# Altium PCB SAFETY_2019_v_3_0.PcbDoc (part 2 of 2)
Units mm, origin at the board's own origin, x right, y up, seen from the top; angles counter-clockwise.
Board outline 100 x 100 mm, 2 copper layers (Top Layer, Bottom Layer); 241 components, 142 nets, 742 pads, 116 vias.
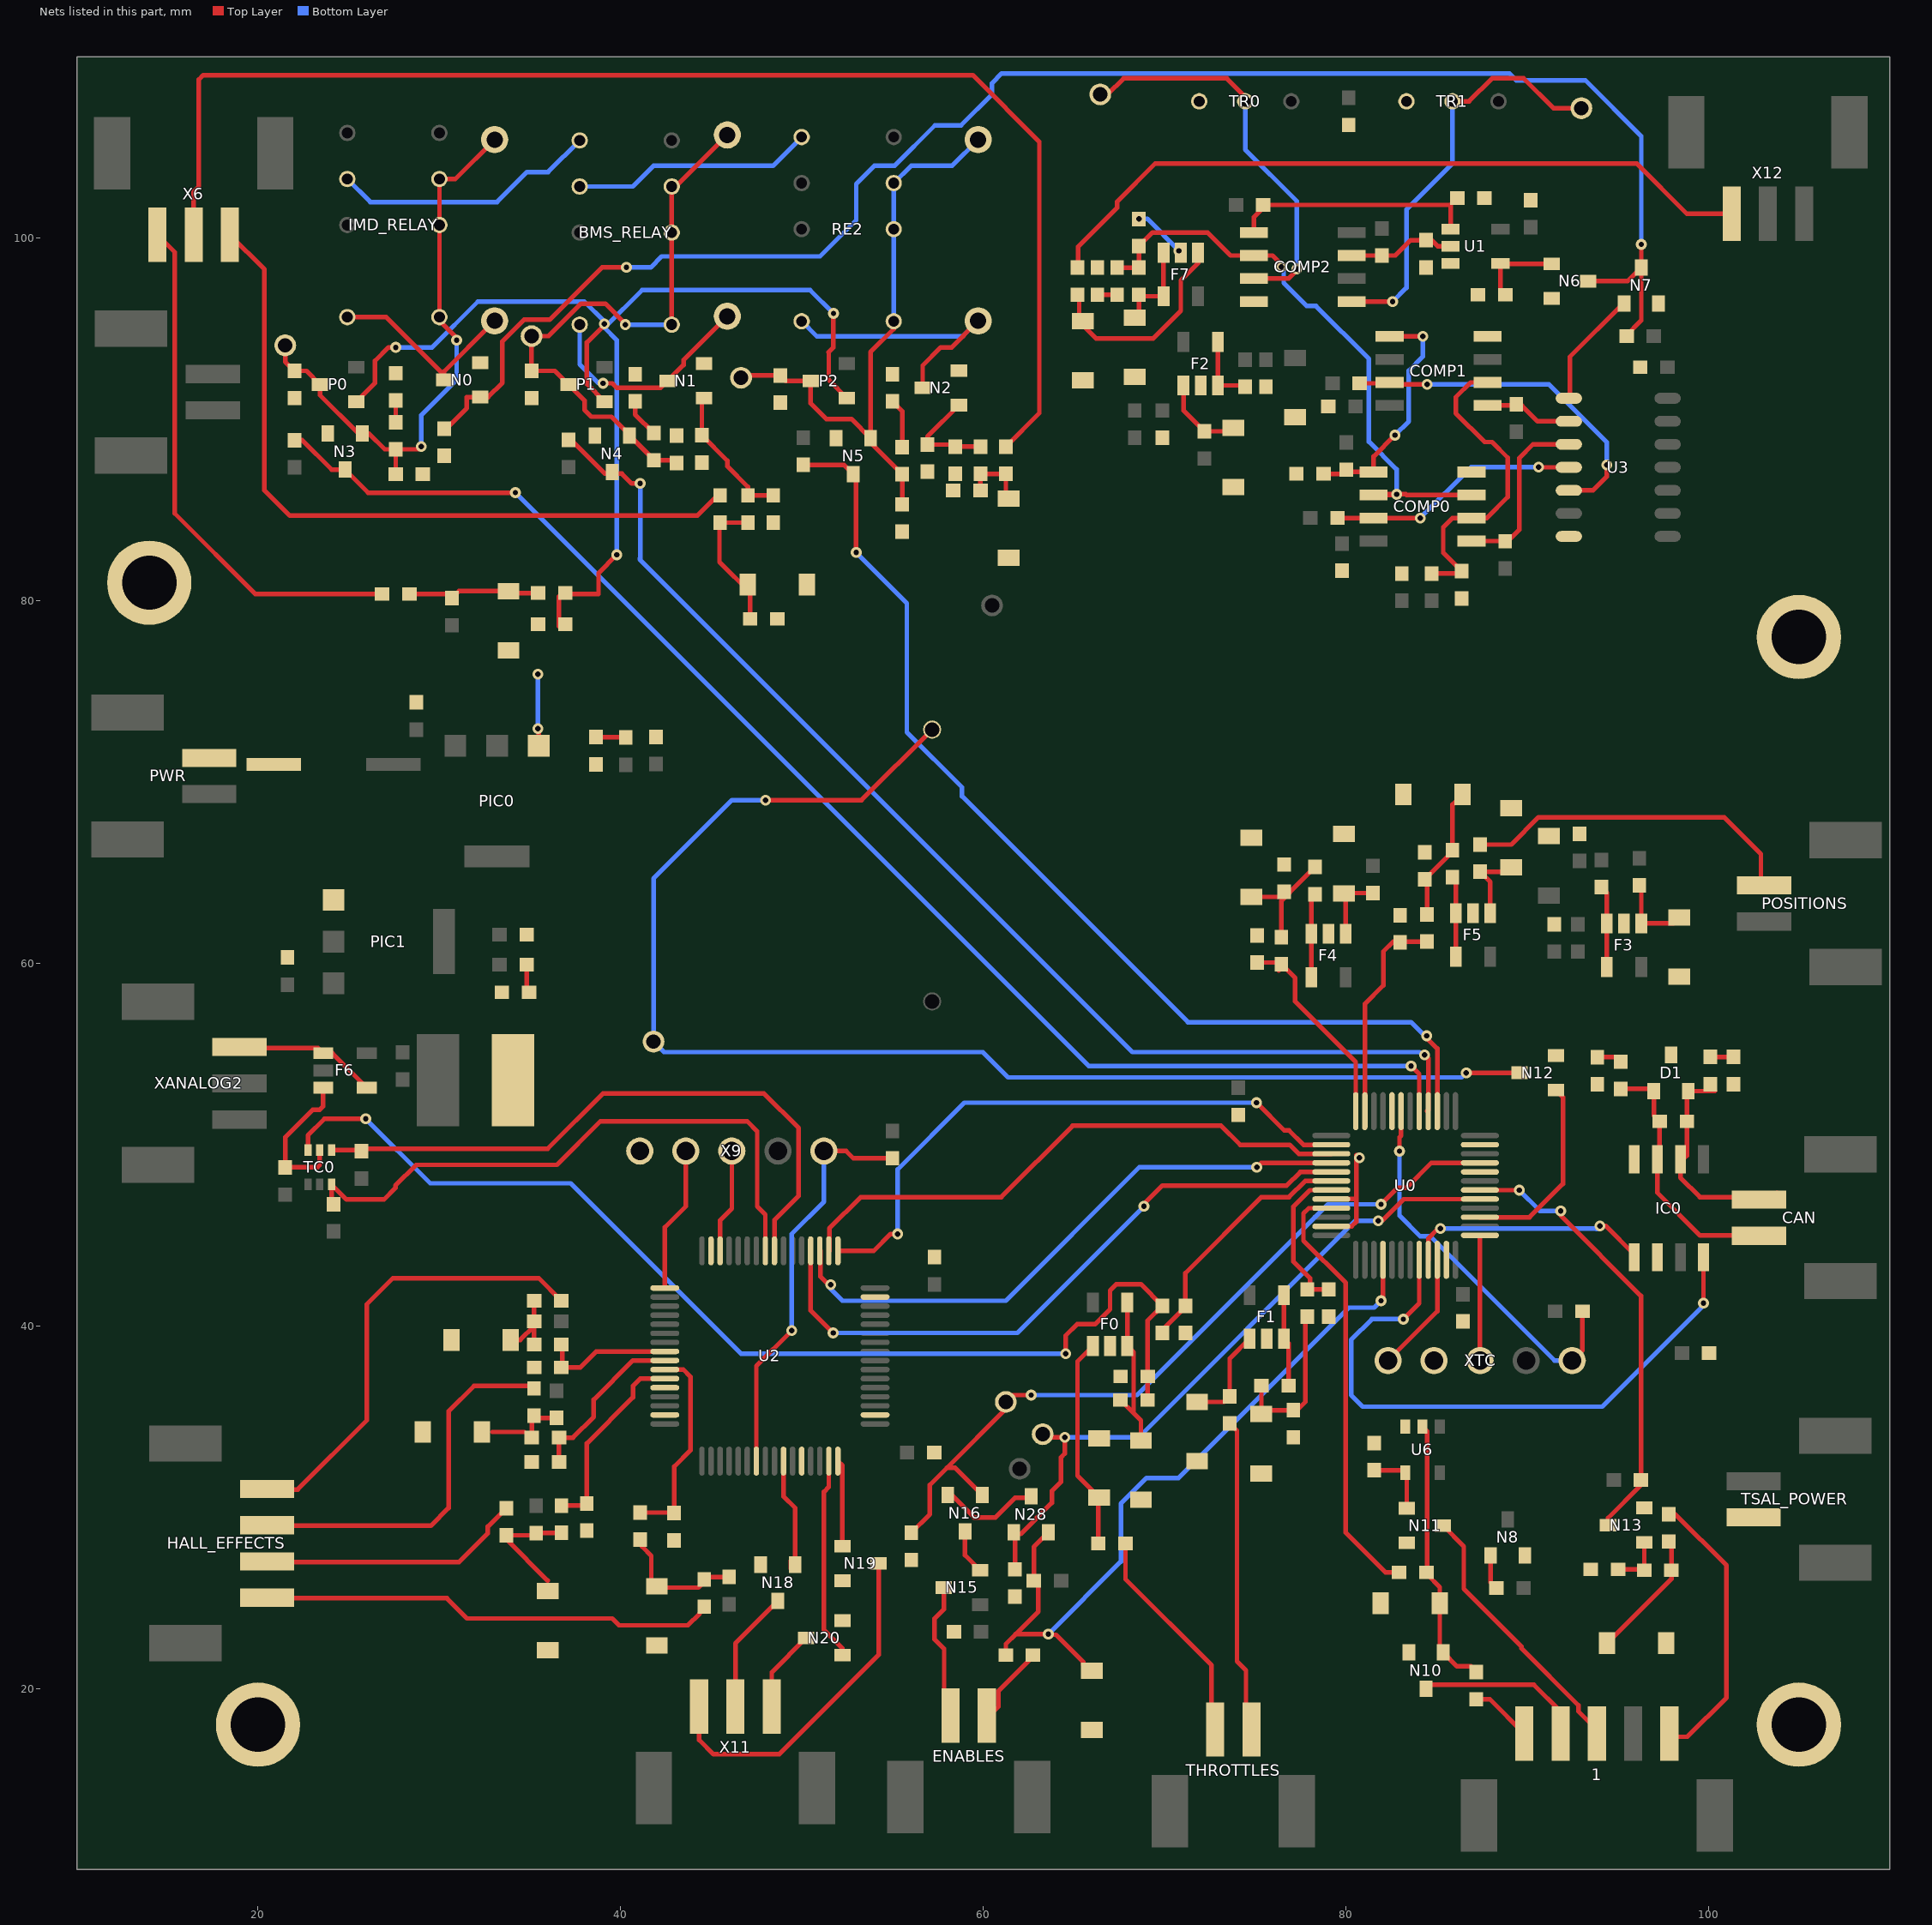
[diagram p2: the nets of this part, all layers, seen from the top]

## Via types
v1: diameter 0.6, hole 0.3, Top Layer to Bottom Layer, 116 vias

## Nets (pads, with @x,y where several pads share a name; then routed paths per layer and width w, separated by ;. In a path a pad name is that pad's centre, name@x,y a point inside that pad or via, vN(x,y) a via of type N, cw(c..) or ccw(c..) an arc to the next point about the centre after c; other vN are vias at no path point) (continued)
BRAKE_PRESSURE_F_2: C21.1 D13.K R39.2 R40.2 | length 6.8
  Top Layer w0.254: D13.K@74.801,63.665 C21.1@76.676,63.665 ; R40.2@76.452,61.45 76.452,63.441 C21.1@76.676,63.665 ; C21.1@76.595,63.95 76.934,63.95 R39.2@78.3,65.316 ; C21.1@76.891,63.88 C21.1@76.676,63.665
BRAKE_PRESSURE_F_2_3_3: R40.1 R41.2 U0.12 | length 11.4
  Top Layer w0.254: R41.2@75.113,60.046 76.356,60.046 R40.1@76.452,59.95 77.207,59.195 77.207,57.898 80.553,54.552 U0.12@80.553,51.845 U0.12@80.553,51.839 ; R40.1@76.3,59.6 76.383,59.683 R40.1@76.383,59.75
BRAKE_TH: COMP2.5 TP_BR.1 TR1.2 | length 23
  Top Layer w0.254: COMP2.5@80.333,96.506 v1(82.586,96.506) ; TR1.2@85.888,107.555 86.802,107.555 88.072,108.825 89.813,108.825 91.464,107.174 TP_BR.1@93,107.174
  Bottom Layer w0.254: v1(82.586,96.506) 83.348,97.268 83.348,101.586 85.888,104.126 TR1.2@85.888,107.555
BSPD_BP_OC: COMP1.1 R98.1 U3.2 | length 4.8
  Top Layer w0.254: COMP1.1@87.826,90.779 89.71,90.779 90.587,89.902 U3.2@92.307,89.902
BSPD_BP_SC: COMP1.7 R92.2@80.772,92 U3.5 | length 19.3
  Top Layer w0.254: R92.2@80.772,92 82.377,92 COMP1.7@82.426,92.049 82.541,91.934 v1(84.491,91.934) ; U3.5@92.307,86.092 93.635,86.092 94.402,86.859 v1(94.402,87.501)
  Bottom Layer w0.254: v1(84.491,91.934) 91.21,91.934 94.402,88.742 v1(94.402,87.501)
BSPD_BRAKE_COND: C16.2 COMP2.7 R94.1@82,99.046 U1.2 | length 6.1
  Top Layer w0.254: COMP2.7@80.333,99.046 R94.1@82,99.046 82.735,99.046 83.584,99.895 84.082,99.895 84.237,100.05 84.249,100.05 84.404,99.895 C16.2@84.43,99.895 84.745,99.895 85.086,99.554 U1.2@85.783,99.554
BSPD_COND: N6.1 R20.1 U1.4 | length 4.7
  Top Layer w0.254: R20.1@88.797,96.887 88.533,97.151 U1.4@88.533,98.604 88.555,98.582 N6.1@91.365,98.582
BSPD_CS_OC: COMP0.1 R89.1 U3.3 | length 9.9
  Top Layer w0.254: COMP0.1@86.937,83.298 88.948,83.298 89.571,83.921 89.571,87.87 90.333,88.632 U3.3@92.307,88.632
BSPD_CS_SC: COMP0.7 R90.1 U3.4 | length 13.9
  Top Layer w0.254: R90.1@79.546,84.568 COMP0.7@81.537,84.568 v1(84.11,84.568) ; v1(90.638,87.374) 90.65,87.362 U3.4@92.307,87.362
  Bottom Layer w0.254: v1(84.11,84.568) 86.916,87.374 v1(90.638,87.374)
BSPD_CURR_COND: C90.2 COMP2.1 R93.1 U1.1 | length 14
  Top Layer w0.254: COMP2.1@74.933,100.316 74.933,101.16 R93.1@75.613,101.84 ; R93.1@75.445,101.84 R93.1@75.613,101.84 ; U1.1@85.783,100.504 C90.2@85.783,101.85 ; C90.2@86.154,102.221 C90.2@85.783,101.85 ; R93.1@75.613,101.84 85.773,101.84 C90.2@85.783,101.85
BSPD_SENSOR_FAULT: N7.1 U3.1 | length 6.5
  Top Layer w0.254: U3.1@92.365,91.172 92.365,93.458 95.302,96.395 N7.1@95.352,96.395
BTSF_EN: N16.1 R64.2 TP2.1 U0.45 | length 43.6
  Top Layer w0.254: R64.2@56.038,28.587 57.059,29.608 57.059,31.228 58,32.169 ; N16.1@59.95,30.671 58.452,32.169 58,32.169 ; v1(62.647,36.181) 61.625,36.181 TP2.1@61.25,35.806 61.25,35.419 58,32.169 ; v1(81.951,46.71) 82.852,47.611 83.339,47.611 84.717,48.989 U0.45@87.403,48.989
  Bottom Layer w0.254: v1(62.647,36.181) 68.489,36.181 79.018,46.71 v1(81.951,46.71)
CAN_H: CAN.2 D1.1 IC0.7 R3.2 R4.1 | length 14.6
  Top Layer w0.254: R3.2@95.174,53.073 96.871,53.073 D1.1@96.994,52.95 96.994,51.61 R4.1@97.321,51.283 97.309,51.271 IC0.7@97.309,49.157 ; IC0.7@97.191,49.189 97.191,47.348 99.55,44.989 CAN.2@103.132,44.989
CAN_L: CAN.1 D1.2 IC0.6 R4.2 R80.2 | length 12.3
  Top Layer w0.254: IC0.6@98.461,49.189 98.461,48.18 99.538,47.103 103.558,47.103 CAN.1@103.788,47.333 ; IC0.6@98.579,49.157 98.821,49.399 R4.2@98.821,51.283 98.821,52.877 D1.2@98.894,52.95 R80.2@100.361,52.95
CAN_RX: IC0.4 U0.32 | length 34.7
  Top Layer w0.254: v1(83.178,40.372) 84.053,41.247 84.053,43.639 U0.32@84.053,43.674 ; v1(99.731,41.261) IC0.4@99.731,43.789
  Bottom Layer w0.254: v1(83.178,40.372) 81.443,40.372 80.3,39.229 80.3,36.181 80.935,35.546 94.143,35.546 99.731,41.134 v1(99.731,41.261)
CAN_TX: IC0.1 U0.33 | length 13.7
  Top Layer w0.254: U0.33@84.553,43.639 84.553,44.825 85.099,45.371 v1(85.217,45.371) ; v1(94.016,45.514) 94.335,45.514 95.921,43.928 IC0.1@95.921,43.789
  Bottom Layer w0.254: v1(85.217,45.371) 93.809,45.371 93.841,45.339 v1(94.016,45.514)
CURR_TH: COMP2.3 TP_CURR.1 TR0.2 | length 22.2
  Top Layer w0.254: TP_CURR.1@66.457,107.936 66.858,107.936 67.747,108.825 73.442,108.825 TR0.2@74.458,107.809 ; COMP2.3@74.966,97.809 COMP2.3@74.933,97.776 76.849,97.776 77.301,98.228 v1(77.301,98.295)
  Bottom Layer w0.254: TR0.2@74.458,107.809 74.458,104.888 77.301,102.045 v1(77.301,98.295)
CURRENT_SENSE: R1.1 X12.1 | length 40.5
  Top Layer w0.254: R1.1@65.244,98.356 65.244,99.544 67.392,101.692 67.392,102.023 69.495,104.126 96.048,104.126 98.824,101.35 X12.1@101.287,101.35
CURRENT_SENSE_F: C15.1 COMP0.3 COMP0.6 COMP2.2 R2.2 R11.2 | length 33.6
  Top Layer w0.254: R11.2@67.392,98.382 R2.2@68.592,98.382 C15.1@68.592,99.566 69.342,100.316 72.377,100.316 73.647,99.046 COMP2.2@74.933,99.046 75.96,99.046 76.454,98.552 v1(76.454,98.425) ; v1@82.804,85.838 COMP0.6@81.537,85.838 81.576,85.877 v1(82.804,85.877) 83.309,85.877 83.348,85.838 COMP0.3@86.937,85.838
  Bottom Layer w0.254: v1(76.454,98.425) 76.581,98.298 76.581,97.536 77.851,96.266 78.359,96.266 81.28,93.345 81.28,88.773 82.804,87.249 v1(82.804,85.877)
CURRENT_SENSE_F_3_3: R11.1 R18.2 | length 1.1
  Top Layer w0.254: R18.2@66.3,96.882 R11.1@67.392,96.882
DRS1: N20.1 U2.15 | length 11.2
  Top Layer w0.254: U2.15@51.487,32.54 51.487,31.117 51.217,30.847 51.217,23.227 52.233,22.211 N20.1@52.233,21.835
DRS1_OUT: N20.3 X11.1 | length 4.2
  Top Layer w0.254: X11.1@48.336,19.345 48.336,20.888 N20.3@50.233,22.785
DRS2: N18.1 U2.10 | length 6.4
  Top Layer w0.254: U2.10@48.987,32.54 48.987,30.593 49.627,29.953 N18.1@49.627,26.828 ; N18.1@49.4,26.601 N18.1@49.4,27.055
DRS2_OUT: N18.3 X11.2 | length 6.5
  Top Layer w0.254: X11.2@46.336,19.345 46.336,22.487 N18.3@48.677,24.828
ENABLE_IN: ENABLES.1 R99.2 | length 4.8
  Top Layer w0.254: ENABLES.1@60.202,18.5 60.345,18.5 60.845,19 60.845,19.852 R99.2@63.028,22.035
ENABLE_IN_3_3: D25.K N28.2 R66.2 R99.1 U0.28 | length 43
  Top Layer w0.254: R99.1@61.25,21.835 61.25,22.451 61.79,22.992 ; R66.2@62.798,25.945 62.798,27.811 N28.2@63.592,28.605 ; R66.2@63.04,25.865 63.04,24.241 61.79,22.992 ; D25.K@66,20.98 65.85,20.98 65.527,21.303 65.527,21.453 64.018,22.962 63.621,22.962 v1(63.592,22.992) 61.79,22.992 ; v1(81.951,41.388) 82.053,41.49 U0.28@82.053,43.639
  Bottom Layer w0.254: v1(63.592,22.992) 67.6,27 67.6,30.2 69.009,31.609 70.775,31.609 80.173,41.007 81.57,41.007 v1(81.951,41.388)
ENABLE_OUT: ENABLES.2 N15.3 | length 8.4
  Top Layer w0.254: N15.3@57.832,25.567 57.832,24.362 57.313,23.843 57.313,22.719 57.845,22.187 ENABLES.2@57.845,17.64
FAULT_BMS: R52.1 X6.3 | length 41.1
  Top Layer w0.254: X6.3@18.451,100.189 20.356,98.284 20.356,86.092 21.753,84.695 44.232,84.695 R52.1@45.502,85.965
FAULT_BMS_F: C24.2 C85.2 N1.1 R53.2 | length 7.9
  Top Layer w0.254: N1.1@44.597,91.184 44.486,91.073 C85.2@44.486,89.128 45.883,87.731 45.883,87.426 47.026,86.283 R53.2@47.026,85.814 C24.2@48.423,85.814
FAULT_BMS_STAT: BMS_RELAY.9 BMS_RELAY.10 BMS_RELAY.12 C5.1 D6.K N4.1 P1.3 R9.2 R96.1 TP21.1 | length 34.8
  Top Layer w0.254: P1.3@37.247,92.061 P1.3@37.12,91.934 ; v1(40.259,95.236) 40.259,95.297 39.161,96.395 37.818,96.395 36.024,94.601 TP21.1@35.088,94.601 C5.1@35.088,92.684 36.37,92.684 P1.3@37.12,91.934 ; N4.1@40.487,89.112 41.831,87.768 R9.2@41.831,87.755 ; 42.708,87.755 41.886,87.755 39.485,90.156 38.39,90.156 38.009,90.537 38.009,91.045 P1.3@37.12,91.934 ; BMS_RELAY.12@42.836,95.236 BMS_RELAY.12@42.823,95.236 BMS_RELAY.10@42.823,100.316 BMS_RELAY.9@42.823,102.856 43.042,102.856 D6.K@45.883,105.697
  Bottom Layer w0.254: v1(40.259,95.236) BMS_RELAY.12@42.823,95.236
FAULT_BMS_STATUS: N4.3 R6.1 U0.4 | length 67.2
  Top Layer w0.254: R6.1@37.12,88.874 37.271,88.874 39.132,87.013 40.07,87.013 40.61,86.473 v1(41.081,86.473) ; v1(84.355,54.95) 84.553,54.752 84.553,51.918 U0.4@84.486,51.851
  Bottom Layer w0.254: v1(41.081,86.473) 41.081,82.354 41.057,82.33 41.081,82.306 41.057,82.282 68.235,55.104 84.07,55.104 84.355,54.819 v1(84.355,54.95)
FAULT_BSPD: C84.2 N0.1 N6.3 N7.3 R44.2 | length 93.5
  Top Layer w0.254: C84.2@30.262,89.382 31.516,90.636 31.516,91.238 N0.1@32.262,91.238 32.691,91.238 33.476,92.023 33.476,94.309 34.671,95.504 36.082,95.504 38.973,98.395 v1(40.319,98.395) ; N6.3@93.365,97.632 95.539,97.632 N7.3@96.302,98.395 ; R44.2@95.425,94.589 96.302,95.466 N7.3@96.302,98.395 ; v1(96.302,99.659) N7.3@96.302,98.395
  Bottom Layer w0.254: v1(40.319,98.395) 41.662,98.395 42.267,99 51,99 53,101 53,103 54,104 55.112,104 57.338,106.226 58.778,106.226 60.488,107.936 60.488,108.556 61.025,109.093 89.027,109.093 89.408,108.712 93.218,108.712 96.302,105.628 v1(96.302,99.659)
FAULT_BSPD_STAT: C4.1 D4.K IMD_RELAY.9 IMD_RELAY.10 IMD_RELAY.12 N3.1 P0.3 R8.1 R95.1 TP4.1 | length 32.2
  Top Layer w0.254: TP4.1@21.499,94.093 21.499,93.192 C4.1@22.007,92.684 22.67,92.684 P0.3@23.42,91.934 23.42,91.349 25.534,89.235 N3.1@25.751,89.235 26.115,89.235 26.994,88.356 R8.1@27.595,88.356 ; R95.1@27.595,86.981 R8.1@27.595,88.356 ; v1(29,88.505) 28.851,88.356 R8.1@27.595,88.356 ; v1(30.953,94.379) 30.883,94.309 30.883,94.573 30.006,95.45 IMD_RELAY.12@30.006,95.65 IMD_RELAY.10@30.006,100.73 IMD_RELAY.9@30.006,103.27 30.883,103.27 D4.K@33.056,105.443
  Bottom Layer w0.254: v1(29,88.505) 29,90.229 30.953,92.182 v1(30.953,94.379)
FAULT_BSPD_STATUS: N3.3 R5.1 U0.5 | length 78.6
  Top Layer w0.254: R5.1@22.007,88.862 22.44,88.862 24.067,87.235 N3.3@24.801,87.235 26.071,85.965 v1(34.199,85.965) ; v1(83.602,54.342) 84.053,53.891 U0.5@84.053,51.839
  Bottom Layer w0.254: v1(34.199,85.965) 65.822,54.342 v1(83.602,54.342)
FAULT_IMD: R54.1 X6.2 | length 74.3
  Top Layer w0.254: X6.2@16.451,100.189 16.451,102.579 16.728,102.856 16.728,108.753 16.975,109 59.424,109 63.1,105.324 63.1,90.355 R54.1@61.25,88.505
FAULT_IMD_F: C25.2 C82.2 N2.1 R55.2 | length 5.9
  Top Layer w0.254: N2.1@58.663,90.8 56.932,89.069 C82.2@56.932,88.62 58.341,88.62 C25.2@58.456,88.505 R55.2@59.853,88.505
FAULT_IMD_STAT: C6.1 D8.K N5.1 P2.3 R10.1 R97.1 RE2.9 RE2.10 RE2.12 TP5.1 | length 34
  Top Layer w0.254: TP5.1@46.645,92.303 46.772,92.43 C6.1@48.804,92.43 49.1,92.134 P2.3@50.487,92.134 50.487,90.886 51.344,90.029 52.738,90.029 N5.1@53.786,88.981 ; RE2.12@55.067,95.424 55.067,94.997 53.786,93.716 N5.1@53.786,88.981 ; R97.1@55.535,85.318 R10.1@55.535,86.981 53.786,88.73 N5.1@53.786,88.981
  Bottom Layer w0.254: RE2.12@55.067,95.424 RE2.10@55.067,100.504 RE2.9@55.067,103.044 56.023,104 58.283,104 D8.K@59.726,105.443
FAULT_IMD_STATUS: N5.3 R7.1 U0.3 | length 58.7
  Top Layer w0.254: R7.1@50.074,87.501 52.316,87.501 N5.3@52.836,86.981 52.995,86.822 v1(52.995,82.663) ; v1(84.46,56) 84.46,55.892 85.053,55.299 U0.3@85.053,51.845 U0.3@85.053,51.839
  Bottom Layer w0.254: v1(52.995,82.663) 55.789,79.869 55.789,72.757 58.837,69.709 58.837,69.217 71.299,56.755 83.597,56.755 84.352,56 v1(84.46,56)
FAULT_RESET: R50.1 X6.1 | length 29
  Top Layer w0.254: X6.1@14.451,100.189 15.403,99.237 15.403,84.822 19.848,80.377 R50.1@26.845,80.377
FAULT_RESET_F: C23.2 P0.1 P1.1 P2.1 R51.2 | length 61.1
  Top Layer w0.254: P0.1@25.42,90.984 26.452,92.016 26.452,93.242 27.192,93.982 v1(27.595,93.982) ; C23.2@36.6,78.599 36.6,80.238 36.739,80.377 38.783,80.377 38.783,81.532 v1(39.787,82.536) ; v1(39.104,95.271) 39.104,95.22 38.136,94.252 38.136,91.968 P1.1@39.12,90.984 ; v1(51.741,95.855) 51.741,93.982 51.479,93.72 51.483,93.716 51.483,92.188 P2.1@52.487,91.184
  Bottom Layer w0.254: v1(27.595,93.982) 29.603,93.982 32.127,96.506 38,96.506 39.104,95.402 v1(39.104,95.271) v1@39.104,95.22 ; v1(39.787,82.536) 39.787,94.379 39.104,95.061 v1@39.104,95.22 ; v1(51.741,95.855) 50.455,97.141 41.184,97.141 39.184,95.141 v1@39.104,95.22
GND: C0.1 C1.1 C2.1 C3.1 C4.2 C5.2 C6.2 C7.1 C8.1 C9.1 C10.1 C11.1 C12.1 C13.1 C15.2 C16.1 C17.2 C18.2 C19.2 C20.2 C21.2 C22.2 C23.1 C24.1 C25.1 C26.1 C27.1 C28.1 C29.1 C30.1 C31.1 C32.1 C34.1 C82.1 C84.1 C85.1 C86.1 C87.1 C88.1 C89.NEG C90.1 COMP0.4 COMP1.4 COMP2.4 D1.3 D2.A D3.K D5.K D7.K D9.K D10.K D11.A D12.A D13.A D14.A D15.A D16.A D17.A D18.A D19.A D20.A D21.A D22.A D23.A D24.A D25.A D26.A D27.A D28.A D29.A D30.A D31.A D32.A D33.A F0.2 F1.2 F2.2 F3.2 F4.2 F5.2 F7.2 IC0.2 IC0.8 INUDC1.1 N0.2 N1.2 N2.2 N3.2 N4.2 N5.2 N6.2 N7.2 N8.2 N10.2 N11.2 N12.2 N13.2 N18.2 N19.2 N20.2 pad.6 pad.7 pad.8 pad.9 PIC0.1 PIC1.1 PWR.2 R14.1 R15.1 R18.1 R20.2 R23.1 R29.1 R33.1 R37.1 R41.1 R45.1 R49.1 R63.1 R64.1 R65.1 R95.2 R96.2 R97.2 RP1.1 RP2.1 TR0.3 TR1.3 TSAL_POWER.2 U0.8 U0.20 U0.23 U0.35 U0.44 U0.47 U1.3 U2.12 U2.18 U2.31 U2.47 U2.60 U2.63 U3.7 U6.3 X9.P$5 XTC.P$2 | length 13.9
  Top Layer w0.254: v1(35.433,72.951) 35.483,72.901 PIC0.1@35.483,71.997 ; C15.2@68.592,101.066 v1(68.6,101.074) ; v1(70.794,99.308) F7.2@70.902,99.2 ; U0.23@79.203,45.489 80.326,45.489 80.593,45.756 80.593,47.003 ; U0.20@79.203,46.989 79.217,47.003 80.593,47.003 ; v1(80.75,49.275) 80.738,49.275 80.593,49.42 80.593,47.003
  Bottom Layer w0.254: v1@35.433,72.875 v1(35.433,72.951) v1(35.433,75.946) ; v1(68.6,101.074) 69.053,101.074 70.794,99.333 v1(70.794,99.308)
HALL_FL: HALL_EFFECTS.3 R94.1@35.227,36.55 | length 21.4
  Top Layer w0.254: HALL_EFFECTS.3@20.157,28.975 29.533,28.975 30.516,29.958 30.516,35.292 31.913,36.689 34.991,36.689 R94.1@35.13,36.55
HALL_FL_F: C29.2 R68.2 U2.57 | length 9.5
  Top Layer w0.254: C29.2@36.6,32.498 R68.2@36.6,33.834 37.374,33.834 38.517,34.977 38.517,35.927 40.68,38.09 U2.57@42.437,38.09
HALL_FR: HALL_EFFECTS.4 R69.1 | length 25.7
  Top Layer w0.254: HALL_EFFECTS.4@20.157,30.975 22.19,30.975 25.999,34.784 25.999,41.189 27.442,42.632 35.483,42.632 R69.1@36.727,41.388
HALL_FR_F: C30.2 R71.2 U2.56 | length 7.1
  Top Layer w0.254: C30.2@36.727,37.705 C30.2@36.788,37.705 ; R71.2@36.727,38.721 36.788,38.66 C30.2@36.788,37.705 ; U2.56@42.437,38.59 38.658,38.59 37.773,37.705 C30.2@36.788,37.705
HALL_RL: HALL_EFFECTS.1 R72.1 | length 23.9
  Top Layer w0.254: HALL_EFFECTS.1@21.365,24.975 30.419,24.975 31.532,23.862 39.533,23.862 39.914,23.481 43.712,23.481 R72.1@44.359,24.128
HALL_RL_F: C31.2 R74.2 U2.58 | length 11.4
  Top Layer w0.254: R74.2@41.081,29.704 42.929,29.704 42.962,29.671 42.962,32.244 43.851,33.133 43.851,37.197 43.458,37.59 U2.58@42.437,37.59
HALL_RR: HALL_EFFECTS.2 R75.1 | length 15
  Top Layer w0.254: HALL_EFFECTS.2@20.157,26.975 31.089,26.975 32.675,28.561 32.675,28.93 R75.1@33.691,29.946
HALL_RR_F: C32.2 R77.2 U2.59 | length 10.9
  Top Layer w0.254: R77.2@36.739,30.085 38.021,30.085 C32.2@38.136,30.2 38.136,33.514 40.68,36.058 40.68,36.689 41.081,37.09 U2.59@42.437,37.09
HV_CONNECTED_3_3: R19.1 U0.21 | length 24.1
  Top Layer w0.254: U0.21@79.203,46.495 77.963,46.495 77.668,46.2 77.668,44.706 80,42.374 80,28.6 82.2,26.4 R19.1@82.95,26.4
NetB0_-: B0.- N12.3 TP9.1 | length 76.5
  Top Layer w0.254: v1(48,69) 53.288,69 B0.-@57.186,72.898 ; v1(86.65,53.961) N12.3@89.587,53.961
  Bottom Layer w0.254: v1(48,69) 46.138,69 41.819,64.681 TP9.1@41.819,55.683 42.398,55.104 59.98,55.104 61.377,53.707 86.396,53.707 v1(86.65,53.961)
NetBMS_RELAY_1: BMS_RELAY.1 D6.A N1.3 | length 12.7
  Top Layer w0.254: v1(39.025,92) 39.537,92 39.787,91.75 42.213,91.75 N1.3@42.597,92.134 43.47,93.007 43.47,93.284 D6.A@45.883,95.697
  Bottom Layer w0.254: BMS_RELAY.1@37.743,95.236 37.743,93.048 38.791,92 v1(39.025,92)
NetBMS_RELAY_4: BMS_RELAY.4 RE2.5 | length 13.4
  Bottom Layer w0.254: BMS_RELAY.4@37.743,102.856 40.675,102.856 41.819,104 48.403,104 RE2.5@49.987,105.584
NetBMS_RELAY_5: BMS_RELAY.5 IMD_RELAY.4 | length 14.7
  Bottom Layer w0.254: IMD_RELAY.4@24.926,103.27 26.196,102 33.183,102 34.836,103.653 36,103.653 BMS_RELAY.5@37.743,105.396
NetC2_2: C2.2 R80.1 | length 1.3
  Top Layer w0.254: R80.1@100.112,54.838 C2.2@101.382,54.838
NetC3_2: C3.2 R3.1 | length 1.4
  Top Layer w0.254: C3.2@93.88,54.827 94.92,54.827 R3.1@95.174,54.573
NetD2_K: D2.K F0.1 R26.2 | length 11.8
  Top Layer w0.254: F0.1@66.05,38.89 65.2,38.04 65.2,31.734 D2.K@66.4,30.534 66.35,30.484 R26.2@66.35,28
NetD3_A: D3.A R8.2 | length 1.2
  Top Layer w0.254: R8.2@27.595,89.856 D3.A@27.595,91.057
NetD4_A: D4.A IMD_RELAY.1 N0.3 | length 11.7
  Top Layer w0.254: IMD_RELAY.1@24.926,95.65 27.07,95.65 N0.3@30.262,92.458 ; D4.A@33.056,95.443 32.849,95.236 30.262,92.649 N0.3@30.262,92.458 ; N0.3@30.262,92.458 30.532,92.188 N0.3@30.262,92.188 N0.3@30.262,92.458
NetD5_A: D5.A R9.1 | length 2
  Top Layer w0.254: D5.A@40.803,90.803 40.803,90.283 R9.1@41.831,89.255
NetD7_A: D7.A R10.2 | length 2.7
  Top Layer w0.254: D7.A@55,91 55.535,90.465 55.535,89.521 R10.2@55.535,88.481
NetD8_A: D8.A N2.3 RE2.1 | length 15.8
  Top Layer w0.254: N2.3@56.663,91.68 N2.3@56.663,91.75 56.663,92.982 57.663,93.982 58.265,93.982 D8.A@59.726,95.443
  Bottom Layer w0.254: RE2.1@49.987,95.424 50.822,94.589 58.872,94.589 D8.A@59.726,95.443
NetD9_A: D9.A R24.1 | length 1.6
  Top Layer w0.254: D9.A@38.644,72.479 40.259,72.479 R24.1@40.283,72.455
NetD10_A: D10.A R25.1 | length 1.6
  Top Layer w0.254: R25.1@34.823,59.93 34.823,58.533 D10.A@34.95,58.406
NetD11_K: D11.K F0.3 F0.4 R27.1 | length 9
  Top Layer w0.254: R27.1@67.569,35.91 68.3,35.179 ; F0.4@67.95,41.29 F0.3@67.95,38.89 68.3,38.54 68.3,35.179 ; D11.K@68.7,33.67 68.7,34.779 68.3,35.179
NetD12_K: D12.K F4.1 R38.2 | length 3.9
  Top Layer w0.254: F4.1@80,61.627 80,63.765 D12.K@79.9,63.865 79.915,63.88 R38.2@81.5,63.88
NetD14_K: D14.K F5.1 R42.2 | length 4.3
  Top Layer w0.254: F5.1@87.972,62.77 87.972,64.493 R42.2@87.412,65.053 88.883,65.053 D14.K@89.13,65.3
NetD17_K: D17.K F1.1 R30.2 | length 5.6
  Top Layer w0.254: D17.K@71.8,35.806 73.291,35.806 R30.2@73.6,36.115 73.6,38.197 F1.1@74.695,39.292
NetD18_K: D18.K F7.1 R1.2 | length 11.7
  Top Layer w0.254: R1.2@65.3,96.882 65.3,96.85 65.3,95.4 66.226,94.474 69.38,94.474 70.902,95.996 70.902,97.678 71.852,98.628 F7.1@71.852,99.2
NetD19_K: D19.K F7.3 F7.4 R2.1 | length 5.2
  Top Layer w0.254: D19.K@68.362,95.617 68.592,95.847 R2.1@68.592,96.882 68.674,96.8 F7.4@69.952,96.8 F7.3@69.952,99.2
NetD20_K: D20.K R56.2 R57.2 | length 7.1
  Top Layer w0.254: D20.K@94.437,22.505 97.969,26.036 R57.2@97.969,26.517 97.969,27.962 R56.2@97.826,28.105
NetD21_K: D21.K R67.1 R68.1 R94.2@35.227,35.05 | length 4.3
  Top Layer w0.254: 32.929,34.149 34.683,34.149 ; R68.1@35.1,33.895 35.1,35.02 35.197,34.923 R67.1@36.461,34.923
NetD22_K: D22.K R72.2 R73.1 R74.1 | length 6.9
  Top Layer w0.254: R74.1@41.184,27.823 41.692,27.315 41.692,25.945 41.692,25.564 44.295,25.564 44.879,26.148 R73.1@45.883,26.148
NetD23_K: D23.K R69.2 R70.1 R71.1 | length 4.3
  Top Layer w0.254: D23.K@33.935,39.229 34.465,39.229 R70.1@35.227,39.991 ; R71.1@35.227,38.721 R71.1@35.227,38.975 R70.1@35.227,39.991 ; R69.2@35.227,41.388 R70.1@35.227,40.245 R70.1@35.227,39.991
NetD24_K: D24.K R75.2 R76.1 R77.1 | length 6.6
  Top Layer w0.254: 35.977,25.945 33.691,28.231 R75.2@33.691,28.446 35.213,28.446 R76.1@35.342,28.575 35.352,28.585 R77.1@36.739,28.585
NetD26_K: D26.K N10.1 R19.2 R22.1 U6.2 | length 14.8
  Top Layer w0.254: U6.2@84.237,34.443 84.491,34.189 84.491,26.284 85.188,25.587 D26.K@85.188,24.7 85.188,22.295 85.38,22.103 N10.1@85.38,21.982 86.142,21.22 R22.1@86.916,21.22
NetD27_K: D27.K F2.1 R34.2 | length 4.7
  Top Layer w0.254: F2.1@71.05,91.884 71.05,90.5 R34.2@72.2,89.35 73.615,89.35 D27.K@73.8,89.535
NetD29_K: D29.K F3.1 R46.2 | length 4.4
  Top Layer w0.254: R46.2@96.2,64.303 96.302,64.201 F3.1@96.302,62.203 98.068,62.203 D29.K@98.4,62.535
NetD31_K: D31.K R50.2 R51.1 RP0.1 | length 7.4
  Top Layer w0.254: R50.2@28.345,80.377 30.473,80.377 RP0.1@30.7,80.15 31.085,80.535 D31.K@33.818,80.535 33.925,80.428 R51.1@35.45,80.428
NetD32_K: D32.K R52.2 R53.1 RP1.2 | length 7.6
  Top Layer w0.254: R53.1@47.026,84.314 R52.2@45.487,84.314 45.451,84.278 45.451,82.143 47.146,80.448 RP1.2@47.146,79
NetD33_K: D33.K R54.2 R55.1 RP2.2 | length 3.7
  Top Layer w0.254: RP2.2@59.851,86.092 59.851,87.003 R55.1@59.853,87.005 R54.2@61.25,87.005 61.25,85.785 D33.K@61.4,85.635
NetF1_3: F1.3 F1.4 R31.1 | length 5.1
  Top Layer w0.254: F1.4@76.595,41.692 F1.3@76.595,39.292 76.85,39.037 R31.1@76.85,36.7
NetF2_3: F2.3 F2.4 R35.1 | length 3.9
  Top Layer w0.254: F2.4@72.95,94.284 F2.3@72.95,91.884 74.381,91.884 R35.1@74.458,91.807
NetF3_3: F3.3 F3.4 R47.1 | length 4.5
  Top Layer w0.254: R47.1@94.1,64.2 94.402,63.898 F3.3@94.402,62.203 F3.4@94.402,59.803
NetF4_3: F4.3 F4.4 R39.1 | length 4.7
  Top Layer w0.254: F4.4@78.1,59.227 F4.3@78.1,61.627 78.1,63.616 R39.1@78.3,63.816
NetF5_3: F5.3 F5.4 R43.1 | length 4.5
  Top Layer w0.254: R43.1@85.888,64.75 86.072,64.566 F5.3@86.072,62.77 F5.4@86.072,60.37
NetF6_3: F6.3 R91.2 TC0.5 | length 8
  Top Layer w0.254: R91.2@21.499,48.739 R91.2@21.499,48.754 ; TC0.5@23.404,49.704 23.404,48.881 23.277,48.754 R91.2@21.499,48.754 ; F6.3@23.592,52.888 23.592,52.117 23.404,51.929 23.023,51.929 21.499,50.405 R91.2@21.499,48.754
NetN8_1: N8.1 R21.2 | length 1.9
  Top Layer w0.254: N8.1@87.986,27.332 87.986,25.865 R21.2@88.313,25.538
NetN11_1: N11.1 R23.2 U6.4 | length 3.8
  Top Layer w0.254: R23.2@81.57,32.035 83.262,32.035 83.287,32.01 83.364,31.933 N11.1@83.364,29.933
NetN15_2: N15.2 N16.3 | length 2.5
  Top Layer w0.254: N16.3@59,28.671 59,27.349 N15.2@59.832,26.517
NetN16_2: N16.2 N28.3 | length 5.7
  Top Layer w0.254: N16.2@58.05,30.671 58.263,30.671 59.498,29.436 60.682,29.436 61.766,30.52 62.642,30.52 N28.3@62.531,30.631
OC_TH: COMP0.2 COMP1.2 R12.1 R14.2 | length 17.8
  Top Layer w0.254: R12.1@84.745,81.508 86.269,81.508 R14.2@86.396,81.635 85.38,82.651 85.38,84.06 85.888,84.568 COMP0.2@86.937,84.568 87.781,84.568 88.936,85.723 88.936,87.895 88.072,88.759 87.666,88.759 86.073,90.352 86.073,91.23 86.892,92.049 COMP1.2@87.826,92.049
PRECHARGE_COMPLETE: 1.1 R56.1 | length 15.8
  Top Layer w0.254: R56.1@97.826,29.605 98.179,29.605 101.001,26.783 101.001,19.493 98.84,17.332 98.006,17.332 1.1@97.838,17.5
PRECHARGE_COMPLETE_3_3: N13.3 R62.1 U0.42 | length 24.9
  Top Layer w0.254: U0.42@87.403,47.489 v1(89.571,47.489) ; v1(91.857,46.341) 91.857,46.087 96.29,41.654 R62.1@96.29,31.506 96.29,31.223 94.471,29.404 N13.3@94.471,29.005
  Bottom Layer w0.254: v1(89.571,47.489) 90.719,46.341 v1(91.857,46.341)
PRECHARGE_COMPLETE_F: C26.2 N13.1 R57.1 | length 3
  Top Layer w0.254: C26.2@95.02,26.569 96.418,26.569 R57.1@96.469,26.517 96.469,28.053 N13.1@96.471,28.055
REGEN_DISABLE: N19.3 X11.3 | length 19.8
  Top Layer w0.254: X11.3@44.336,19.345 44.336,17.154 45.121,16.369 48.749,16.369 54.233,21.853 N19.3@54.233,26.895 N19.3@54.28,26.895
REGEN_DISABLE_3.3V: N19.1 U2.16 | length 4.8
  Top Layer w0.254: U2.16@51.987,32.54 52.233,32.294 N19.1@52.233,27.845
RST: R0.2 U0.7 XTC.P$5 | length 21.6
  Top Layer w0.254: v1(82.967,49.643) 82.967,50.403 83.053,50.489 U0.7@83.053,51.839 ; XTC.P$5@92.492,38.086 93.057,38.651 R0.2@93.057,40.807
  Bottom Layer w0.254: v1(82.967,49.643) 82.967,46.087 84.11,44.944 84.66,44.944 91.518,38.086 XTC.P$5@92.492,38.086
RST_TC: R92.1@55,49.25 U2.7 X9.P$1 | length 22.6
  Top Layer w0.254: U2.7@47.487,32.54 47.487,37.785 v1(49.439,39.737) ; X9.P$1@51.217,49.643 52.443,49.643 52.836,49.25 R92.1@55,49.25
  Bottom Layer w0.254: v1(49.439,39.737) 49.439,45.071 51.217,46.849 X9.P$1@51.217,49.643
RTD_EN: N28.1 R65.2 TP3.1 U0.41 | length 38.3
  Top Layer w0.254: R65.2@61.753,26.567 61.753,28.459 61.692,28.52 62.071,28.52 63.79,30.24 63.79,30.892 64.298,31.4 64.298,32.752 64.499,32.953 v1(64.499,33.85) 63.454,33.85 TP3.1@63.282,34.022 ; v1(81.788,45.791) 81.995,45.791 83.193,46.989 U0.41@87.403,46.989
  Bottom Layer w0.254: v1(64.499,33.85) 68.571,33.85 80.512,45.791 v1(81.788,45.791)
RTDS_EN: N12.1 U0.39 | length 10.7
  Top Layer w0.254: U0.39@87.403,45.989 90.138,45.989 91.984,47.835 91.984,52.614 N12.1@91.587,53.011
SC_TH: COMP0.5 COMP1.5 R13.1 R15.2 | length 13.3
  Top Layer w0.254: R15.2@78.776,87.005 79.804,87.005 R13.1@80.034,87.235 80.161,87.108 COMP0.5@81.537,87.108 81.537,87.964 v1(82.713,89.14) ; COMP1.5@82.426,94.589 v1(84.249,94.589)
  Bottom Layer w0.254: v1(82.713,89.14) 83.475,89.902 83.475,92.696 84.249,93.47 v1(84.249,94.589)
SCL_TC: R79.1 TC0.3 U2.41 | length 33.8
  Top Layer w0.254: R79.1@24.166,46.71 24.054,46.822 TC0.3@24.054,47.804 24.882,46.976 26.947,46.976 27.583,47.612 27.583,47.738 28.726,48.881 36.485,48.881 38.887,51.283 46.987,51.283 47.534,50.736 47.534,46.595 47.987,46.142 U2.41@47.987,44.14
SDA_TC: R78.1 TC0.4 U2.40 | length 35.2
  Top Layer w0.254: TC0.4@24.054,49.704 25.612,49.704 25.69,49.782 25.702,49.77 35.977,49.77 39.025,52.818 47.915,52.818 49.82,50.913 49.82,47.174 48.487,45.841 U2.40@48.487,44.14
SPI1_MISO: U0.16 U2.35 | length 33.6
  Top Layer w0.254: U2.35@51.018,44.14 51.018,42.73 51.598,42.15 v1(51.598,42.277) ; v1(75.093,48.754) 75.328,48.989 U0.16@79.203,48.989
  Bottom Layer w0.254: v1(51.598,42.277) 51.598,42.023 52.233,41.388 61.25,41.388 68.616,48.754 v1(75.093,48.754)
SPI1_MOSI: U0.17 U2.36 | length 36.3
  Top Layer w0.254: U2.36@50.487,44.14 50.487,40.848 v1(51.725,39.61) ; v1(68.87,46.595) 68.87,46.725 69.883,47.738 76.744,47.738 77.495,48.489 U0.17@79.203,48.489
  Bottom Layer w0.254: v1(51.725,39.61) 61.885,39.61 v1(68.87,46.595)
SPI1_NSS: U0.14 U2.33 | length 33.6
  Top Layer w0.254: U2.33@52.018,44.14 53.969,44.14 54.9,45.071 v1(55.281,45.071) ; v1(75.084,52.31) 76.608,50.786 76.871,50.786 77.668,49.989 U0.14@79.203,49.989
  Bottom Layer w0.254: v1(55.281,45.071) 55.281,48.627 58.964,52.31 v1(75.084,52.31)
SPI1_SCK: U0.15 U2.34 | length 31.9
  Top Layer w0.254: U2.34@51.518,44.14 51.518,45.372 53.249,47.103 60.996,47.103 64.933,51.04 73.128,51.04 74.179,49.989 76.906,49.989 77.406,49.489 U0.15@79.203,49.489
STEERING_POS: POSITIONS.1 R42.1 | length 18.1
  Top Layer w0.254: R42.1@87.7,66.55 89.13,66.55 90.638,68.058 100.874,68.058 102.905,66.027 POSITIONS.1@102.905,64.594
STEERING_POS_F: C22.1 D15.K R43.2 R81.2 | length 7.5
  Top Layer w0.254: R81.2@84.486,62.7 84.486,64.499 C22.1@84.355,64.63 85.888,66.163 R43.2@85.888,66.25 85.888,68.758 D15.K@86.447,69.317
STEERING_POS_F_3_3: R45.2 R81.1 U0.11 | length 11.7
  Top Layer w0.254: U0.11@81.053,51.839 U0.11@81.053,51.845 81.053,57.762 82.078,58.787 82.078,60.652 82.626,61.2 R81.1@84.355,61.2
SWCLK: U0.37 XTC.P$3 | length 6.9
  Top Layer w0.254: U0.37@87.403,44.989 87.403,38.095 XTC.P$3@87.412,38.086
SWCLK_TC: U2.49 X9.P$4 | length 8
  Top Layer w0.254: U2.49@42.437,42.09 42.437,45.435 43.597,46.595 X9.P$4@43.597,49.643
SWDIO: U0.34 XTC.P$1 | length 6.7
  Top Layer w0.254: XTC.P$1@82.332,38.086 85.053,40.807 U0.34@85.053,43.639
SWDIO_TC: U2.46 X9.P$3 | length 5.8
  Top Layer w0.254: U2.46@45.487,44.14 45.487,45.818 46.137,46.468 X9.P$3@46.137,49.643
THROTTLE_A: R26.1 THROTTLES.2 | length 12.1
  Top Layer w0.254: R26.1@67.85,28 67.85,26.025 72.6,21.275 72.6,17.917 THROTTLES.2@72.608,17.925
THROTTLE_A_F: C17.1 R27.2 R28.2 TC0.6 | length 62.5
  Top Layer w0.254: TC0.6@22.754,49.704 22.754,50.517 23.658,51.421 v1(25.944,51.421) ; v1(64.552,38.467) 64.552,39.463 65.179,40.09 66.175,40.09 67,40.915 67,41.95 67.35,42.3 68.696,42.3 R28.2@69.886,41.11 69.069,40.293 R27.2@69.069,35.91
  Bottom Layer w0.254: v1(25.944,51.421) 29.5,47.865 37.247,47.865 46.645,38.467 v1(64.552,38.467)
THROTTLE_A_F_3_3: R28.1 R29.2 U0.18 | length 14
  Top Layer w0.254: R28.1@69.886,39.61 69.886,39.785 71.156,41.055 R29.2@71.156,41.11 71.156,42.912 75.344,47.1 76.871,47.1 77.76,47.989 U0.18@79.203,47.989
THROTTLE_B: R30.1 THROTTLES.1 | length 17
  Top Layer w0.254: R30.1@73.6,34.679 R30.1@73.6,34.615 74,34.215 74,21.5 74.5,21 74.5,18.463 THROTTLES.1@74.801,18.162
THROTTLE_B_F: C18.1 D16.K R31.2 R32.2 | length 9.2
  Top Layer w0.254: D16.K@75.344,35.135 D16.K@75.35,35.141 ; R31.2@75.35,36.7 D16.K@75.35,35.141 ; R32.2@78.026,40.511 R32.2@77.887,40.511 77.776,40.511 77.776,35.816 77.31,35.35 C18.1@77.113,35.35 75.559,35.35 D16.K@75.35,35.141
THROTTLE_B_F_3_3: R32.1 R33.2 U0.19 | length 8.9
  Top Layer w0.254: R33.2@79.17,41.885 79.296,42.011 78.026,42.011 78.026,42.634 77.113,43.547 77.113,46.583 78.019,47.489 U0.19@79.203,47.489
THROTTLE_OUT: F6.1 F6.4 XANALOG2.3 | length 7.6
  Top Layer w0.254: XANALOG2.3@19.332,55.326 23.313,55.326 F6.1@23.601,55.038 24.101,55.038 F6.4@26.001,53.138
TSAL_EN: 1.5 R22.2 | length 3.7
  Top Layer w0.254: R22.2@87.2,19.4 87.954,19.4 1.5@89.854,17.5 1.5@89.686,17.332
TSAL_HV: 1.4 N10.3 | length 9.3
  Top Layer w0.254: N10.3@84.43,19.982 84.648,20.2 90.379,20.2 91.838,18.741 1.4@91.838,17.5
TSAL_LV: 1.3 N11.3 | length 14.8
  Top Layer w0.254: N11.3@85.364,28.983 86.514,27.833 86.514,25.49 89.698,22.306 89.698,22.211 92.84,19.069 92.84,18.73 1.3@93.838,17.733
pads on no net: 1.P$3 1.P$4 AIR.P$3 AIR.P$4 BMS_RELAY.3 CAN.P$3 CAN.P$4 ENABLES.P$3 ENABLES.P$4 HALL_EFFECTS.P$3 HALL_EFFECTS.P$4 IMD_RELAY.3 POSITIONS.P$3 POSITIONS.P$4 PWR.P$3 PWR.P$4 RE2.3 THROTTLES.P$3 THROTTLES.P$4 TSAL_POWER.P$3 TSAL_POWER.P$4 U0.1 U0.2 U0.6 U0.22 U0.25 U0.27 U0.29 U0.30 U0.31 U0.38 U0.43 U0.46 U2.1 U2.2 U2.3 U2.4 U2.5 U2.6 U2.8 U2.9 U2.11 U2.14 U2.17 U2.20 U2.21 U2.22 U2.23 U2.24 U2.25 U2.26 U2.27 U2.28 U2.29 U2.30 U2.37 U2.38 U2.39 U2.42 U2.43 U2.44 U2.45 U2.50 U2.51 U2.52 U2.53 U2.54 U2.55 U2.61 U2.62 U3.6 U3.8 U3.9 U3.10 U3.11 U3.12 U3.13 U6.1 X6.P$3 X6.P$4 X11.P$3 X11.P$4 X12.P$3 X12.P$4 XANALOG2.P$3 XANALOG2.P$4

## Polygon pours and split planes (outlines as drawn)
GND on Bottom Layer "Bottom Layer-GND" (solid, pour order 6): 109.22,110 109.22,10.541 11.303,10.541 11.303,43.434 10.922,43.815 11.049,43.942 32.131,43.942 32.131,56.515 31.877,56.769 32.131,57.023 21.082,57.023 20.574,57.531 20.574,60.361 18.832,62.103 10.922,62.103 10.922,109.855
AGND on Bottom Layer "Bottom Layer-AGND" (solid, pour order 12): 10.368,61.849 10.368,44.741 10.532,44.577 31.697,44.577 31.697,56.718 31.748,56.769 21.082,56.769 20.32,57.531 20.32,59.757 19.69,60.387 19.69,60.828 18.669,61.849
no net on Bottom Layer "Bottom Layer-No Net" (solid, pour order 2): 107.315,94.107
GND on Top Layer "Top Layer-GND" (solid, pour order 8): 109.22,109.728 109.22,10.541 11.303,10.541 11.303,43.942 11.43,43.815 32.131,43.815 32.131,57.15 20.955,57.15 20.574,57.531 20.701,57.658 20.701,60.325 18.923,62.103 18.886,62.066 10.922,62.066 10.922,109.728
AGND on Top Layer "Top Layer-AGND" (solid, pour order 10): 10.278,61.849 18.669,61.849 20.32,60.198 20.32,57.531 21.082,56.769 31.877,56.769 31.786,56.678 31.786,44.214 31.423,44.577 10.532,44.577

## Keep-outs
Keep-Out Layer:
  the board outline again, w0.2

## Other copper
Top Layer:
  region: 107.95,83.566

## Silkscreen, mask and mechanical layers (free items; w line width, h text height)
Top Overlay:
  lines w0.254: 10,62.089 18.832,62.089 20.61,60.311 20.61,57.517 21.118,57.009 40.503,57.009 41.311,57.817 41.311,76.567 47.407,76.567 44.613,76.567 ; 10.45,78.98 15.403,78.98 17.054,77.329 17.054,76.948 ; 10.795,20.828 28.321,20.828 33.782,15.367 38.1,15.367 ; 11.303,44.309 33.564,44.309 ; 17.018,108.839 63.678,108.839 ; 17.054,110 17.054,76.948 ; 32.893,76.694 32.893,108.839 ; 37.374,56.882 37.374,48.119 33.564,44.309 ; 38.1,10.641 38.1,15.367 ; 45.847,76.694 45.847,108.839 ; 52.269,10.414 52.106,10.577 52.106,15.24 55.281,18.415 55.281,29.845 54.519,30.607 45.466,30.607 ; 54.646,30.48 54.646,32.142 59.563,37.059 61.961,37.059 ; 63.663,110 63.663,76.821 63.917,76.567 17.435,76.567 17.054,76.948 ; 65.06,110 64.3,109.24 64.3,77.073 64.806,76.567 92.619,76.567 109.347,93.295 109.347,107.773 ; 66.675,15.494 66.675,24.638 64.516,26.797 64.516,34.671 62.128,37.059 62.128,39.446 65.862,43.18 79.121,43.18 81.062,41.239 81.062,34.199 ; 81.062,15.621 81.062,35.143 ; 81.443,55.485 99.35,55.485 102.235,55.485 ; 81.57,76.454 81.57,55.485 81.443,55.358 73.823,55.358 73.188,55.993 73.188,76.567 80.173,76.567 89.284,76.567 89.284,67.103 ; 82.098,59.284 82.479,59.665 ; 88.265,55.485 88.265,52.146 90.424,49.987 90.424,44.143 92.276,42.291 101.078,42.291 101.092,42.277 ; 89.079,55.485 89.284,55.28 89.284,76.581 96.796,76.581 98.669,74.708 98.669,70.644 98.669,55.566 ; 33.564,44.309 39.482,44.309 40.894,42.897 40.894,31.42 41.707,30.607 45.466,30.607 ; 38.1,15.367 41.529,18.796 42.164,18.796 43.307,19.939 43.307,20.955 44.069,21.717 44.958,21.717 46.99,23.749 46.99,29.083 45.466,30.607
  text "BMS" at 19.06,102.579 h1 r90
  text "reset" at 14.473,102.461 h1 r90
  text "IMD" at 16.736,102.461 h1 r90
  text "IMD RLAY" at 58,95.697 h1.52 r90
  text "BSPD_RELAY" at 23.601,94.589 h1.52 r90
  text "CUR & BRAKE" at 107.787,83 h1.52 r90
  text "FAULT LATCHES" at 17.526,78.232 h1
  text "BSPD LOGIC" at 67.46,77 h1
  text "STEER POS" at 81.576,73.836 h1.52
  text "BRAKE_POS" at 90,70.979 h1.52
  text "BRAKE_PR" at 74.695,67.793 h1 r90
  text "RTD BUZZER" at 43.307,60.706 h1 r90
  text "ANALOG" at 12.065,45.514 h1.52
  text "CAN" at 93.312,43.942 h1.52 r90
  text "BRD: NICK" at 13,13 h1
  text "SCH: NICK && ANDY && CHAI" at 13,11 h1

## Dimensions
10,110 to 10,10 on Measurements (Mech8)
10,110 to 110,110 on Measurements (Mech8)